# Altium PCB PCB5.PcbDoc (part 5 of 16)
Units mil, origin at the board's own origin, x right, y up, seen from the top; angles counter-clockwise.
Board outline 9210.27 x 4350.4 mil, 4 copper layers (Top Layer, Layer 1, Layer 2, Bottom Layer), stack 23.756 mil thick; 1550 components, 1731 nets, 5196 pads, 1890 vias.
Unrouted connection lines stored in the file: 2462.
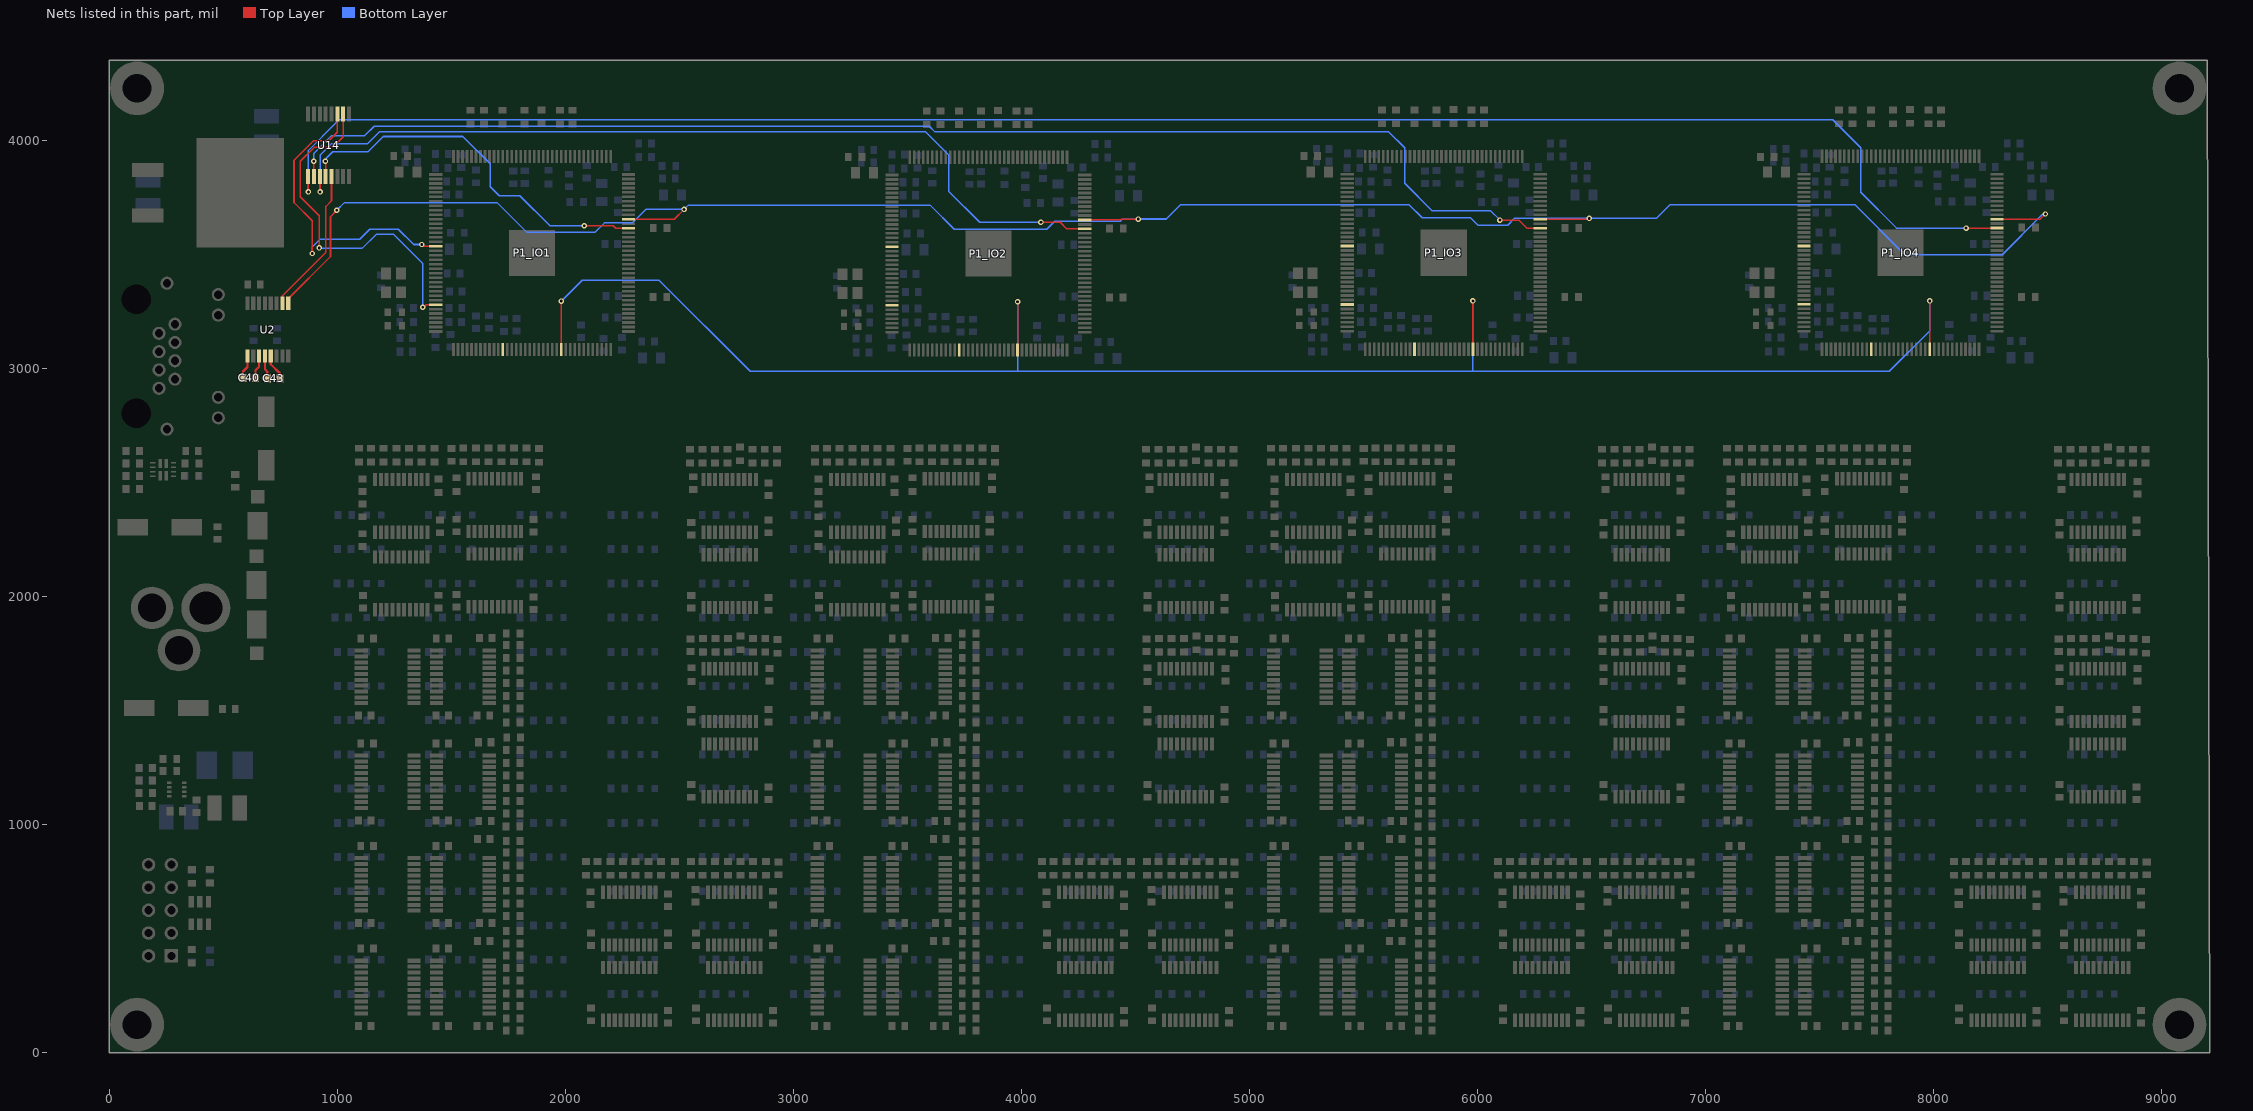
[diagram p7: the nets of this part, all layers, seen from the top]

## Part data (continued)
D7_U_LED_BUFFER11 D7_U_LED_BUFFER12 D7_U_LED_BUFFER13 D7_U_LED_BUFFER14 D7_U_LED_BUFFER21 D7_U_LED_BUFFER22 D7_U_LED_BUFFER23 D7_U_LED_BUFFER24 D7_U_LED_BUFFER31 D7_U_LED_BUFFER32 D7_U_LED_BUFFER33 D7_U_LED_BUFFER34 D7_U_LED_BUFFER41 D7_U_LED_BUFFER42 D7_U_LED_BUFFER43 D7_U_LED_BUFFER44 D7_U_LED_BUFFER51 D7_U_LED_BUFFER52 D7_U_LED_BUFFER53 D7_U_LED_BUFFER54 D7_U_LED_BUFFER61 D7_U_LED_BUFFER62 D7_U_LED_BUFFER63 D7_U_LED_BUFFER64 D7_U_LED_BUFFER71 D7_U_LED_BUFFER72 D7_U_LED_BUFFER73 D7_U_LED_BUFFER74 D7_U_LED_BUFFER81 D7_U_LED_BUFFER82 D7_U_LED_BUFFER83 D7_U_LED_BUFFER84 D7_U_LED_BUFFER91 D7_U_LED_BUFFER92 D7_U_LED_BUFFER93 D7_U_LED_BUFFER94 D7_U_LED_BUFFER101 D7_U_LED_BUFFER102 D7_U_LED_BUFFER103 D7_U_LED_BUFFER104 D8_U_LED_BUFFER11 D8_U_LED_BUFFER12 D8_U_LED_BUFFER13 D8_U_LED_BUFFER14 D8_U_LED_BUFFER21 D8_U_LED_BUFFER22 D8_U_LED_BUFFER23 D8_U_LED_BUFFER24 D8_U_LED_BUFFER31 D8_U_LED_BUFFER32 D8_U_LED_BUFFER33 D8_U_LED_BUFFER34 D8_U_LED_BUFFER41 D8_U_LED_BUFFER42 D8_U_LED_BUFFER43 D8_U_LED_BUFFER44 D8_U_LED_BUFFER51 D8_U_LED_BUFFER52 D8_U_LED_BUFFER53 D8_U_LED_BUFFER54 D8_U_LED_BUFFER61 D8_U_LED_BUFFER62 D8_U_LED_BUFFER63 D8_U_LED_BUFFER64 D8_U_LED_BUFFER71 D8_U_LED_BUFFER72 D8_U_LED_BUFFER73 D8_U_LED_BUFFER74 D8_U_LED_BUFFER81 D8_U_LED_BUFFER82 D8_U_LED_BUFFER83 D8_U_LED_BUFFER84 D8_U_LED_BUFFER91 D8_U_LED_BUFFER92 D8_U_LED_BUFFER93 D8_U_LED_BUFFER94 D8_U_LED_BUFFER101 D8_U_LED_BUFFER102 D8_U_LED_BUFFER103 D8_U_LED_BUFFER104 D9_U_LED_BUFFER11 D9_U_LED_BUFFER12 D9_U_LED_BUFFER13 D9_U_LED_BUFFER14 D9_U_LED_BUFFER21 D9_U_LED_BUFFER22 D9_U_LED_BUFFER23 D9_U_LED_BUFFER24 D9_U_LED_BUFFER31 D9_U_LED_BUFFER32 D9_U_LED_BUFFER33 D9_U_LED_BUFFER34 D9_U_LED_BUFFER41 D9_U_LED_BUFFER42 D9_U_LED_BUFFER43 D9_U_LED_BUFFER44 D9_U_LED_BUFFER51 D9_U_LED_BUFFER52 D9_U_LED_BUFFER53 D9_U_LED_BUFFER54 D9_U_LED_BUFFER61 D9_U_LED_BUFFER62 D9_U_LED_BUFFER63 D9_U_LED_BUFFER64 D9_U_LED_BUFFER71 D9_U_LED_BUFFER72 D9_U_LED_BUFFER73 D9_U_LED_BUFFER74 D9_U_LED_BUFFER81 D9_U_LED_BUFFER82 D9_U_LED_BUFFER83 D9_U_LED_BUFFER84 D9_U_LED_BUFFER91 D9_U_LED_BUFFER92 D9_U_LED_BUFFER93 D9_U_LED_BUFFER94 D9_U_LED_BUFFER101 D9_U_LED_BUFFER102 D9_U_LED_BUFFER103 D9_U_LED_BUFFER104 D10_U_LED_BUFFER11 D10_U_LED_BUFFER12 D10_U_LED_BUFFER13 D10_U_LED_BUFFER14 D10_U_LED_BUFFER21 D10_U_LED_BUFFER22 D10_U_LED_BUFFER23 D10_U_LED_BUFFER24 D10_U_LED_BUFFER31 D10_U_LED_BUFFER32 D10_U_LED_BUFFER33 D10_U_LED_BUFFER34 D10_U_LED_BUFFER41 D10_U_LED_BUFFER42 D10_U_LED_BUFFER43 D10_U_LED_BUFFER44 D10_U_LED_BUFFER51 D10_U_LED_BUFFER52 D10_U_LED_BUFFER53 D10_U_LED_BUFFER54 D10_U_LED_BUFFER61 D10_U_LED_BUFFER62 D10_U_LED_BUFFER63 D10_U_LED_BUFFER64 D10_U_LED_BUFFER71 D10_U_LED_BUFFER72 D10_U_LED_BUFFER73 D10_U_LED_BUFFER74 D10_U_LED_BUFFER81 D10_U_LED_BUFFER82 D10_U_LED_BUFFER83 D10_U_LED_BUFFER84 D10_U_LED_BUFFER91 D10_U_LED_BUFFER92 D10_U_LED_BUFFER93 D10_U_LED_BUFFER94 D11_U_LED_BUFFER11 D11_U_LED_BUFFER12 D11_U_LED_BUFFER13 D11_U_LED_BUFFER14 D11_U_LED_BUFFER21 D11_U_LED_BUFFER22 D11_U_LED_BUFFER23 D11_U_LED_BUFFER24 D11_U_LED_BUFFER31 D11_U_LED_BUFFER32 D11_U_LED_BUFFER33 D11_U_LED_BUFFER34 D11_U_LED_BUFFER41 D11_U_LED_BUFFER42 D11_U_LED_BUFFER43 D11_U_LED_BUFFER44 D11_U_LED_BUFFER51 D11_U_LED_BUFFER52 D11_U_LED_BUFFER53 D11_U_LED_BUFFER54 D11_U_LED_BUFFER61 D11_U_LED_BUFFER62 D11_U_LED_BUFFER63 D11_U_LED_BUFFER64 D11_U_LED_BUFFER71 D11_U_LED_BUFFER72 D11_U_LED_BUFFER73 D11_U_LED_BUFFER74 D11_U_LED_BUFFER81 D11_U_LED_BUFFER82 D11_U_LED_BUFFER83 D11_U_LED_BUFFER84 D11_U_LED_BUFFER91 D11_U_LED_BUFFER92 D11_U_LED_BUFFER93 D11_U_LED_BUFFER94 D12_U_LED_BUFFER11 D12_U_LED_BUFFER12 D12_U_LED_BUFFER13 D12_U_LED_BUFFER14 D12_U_LED_BUFFER21 D12_U_LED_BUFFER22 D12_U_LED_BUFFER23 D12_U_LED_BUFFER24 D12_U_LED_BUFFER31 D12_U_LED_BUFFER32 D12_U_LED_BUFFER33 D12_U_LED_BUFFER34 D12_U_LED_BUFFER41 D12_U_LED_BUFFER42 D12_U_LED_BUFFER43 D12_U_LED_BUFFER44 D12_U_LED_BUFFER51 D12_U_LED_BUFFER52 D12_U_LED_BUFFER53 D12_U_LED_BUFFER54 D12_U_LED_BUFFER61 D12_U_LED_BUFFER62 D12_U_LED_BUFFER63 D12_U_LED_BUFFER64 D12_U_LED_BUFFER71 D12_U_LED_BUFFER72 D12_U_LED_BUFFER73 D12_U_LED_BUFFER74 D12_U_LED_BUFFER81 D12_U_LED_BUFFER82 D12_U_LED_BUFFER83 D12_U_LED_BUFFER84 D12_U_LED_BUFFER91 D12_U_LED_BUFFER92 D12_U_LED_BUFFER93 D12_U_LED_BUFFER94 D13_U_LED_BUFFER11 D13_U_LED_BUFFER12 D13_U_LED_BUFFER13 D13_U_LED_BUFFER14 D13_U_LED_BUFFER21 D13_U_LED_BUFFER22 D13_U_LED_BUFFER23 D13_U_LED_BUFFER24 D13_U_LED_BUFFER31 D13_U_LED_BUFFER32 D13_U_LED_BUFFER33 D13_U_LED_BUFFER34 D13_U_LED_BUFFER41 D13_U_LED_BUFFER42 D13_U_LED_BUFFER43 D13_U_LED_BUFFER44 D13_U_LED_BUFFER51 D13_U_LED_BUFFER52 D13_U_LED_BUFFER53 D13_U_LED_BUFFER54 D13_U_LED_BUFFER61 D13_U_LED_BUFFER62 D13_U_LED_BUFFER63 D13_U_LED_BUFFER64 D13_U_LED_BUFFER71 D13_U_LED_BUFFER72 D13_U_LED_BUFFER73 D13_U_LED_BUFFER74 D13_U_LED_BUFFER81 D13_U_LED_BUFFER82 D13_U_LED_BUFFER83 D13_U_LED_BUFFER84 D13_U_LED_BUFFER91 D13_U_LED_BUFFER92 D13_U_LED_BUFFER93 D13_U_LED_BUFFER94 D14_U_LED_BUFFER11 D14_U_LED_BUFFER12 D14_U_LED_BUFFER13 D14_U_LED_BUFFER14 D14_U_LED_BUFFER21 D14_U_LED_BUFFER22 D14_U_LED_BUFFER23 D14_U_LED_BUFFER24 D14_U_LED_BUFFER31 D14_U_LED_BUFFER32 D14_U_LED_BUFFER33 D14_U_LED_BUFFER34 D14_U_LED_BUFFER41 D14_U_LED_BUFFER42 D14_U_LED_BUFFER43 D14_U_LED_BUFFER44 D14_U_LED_BUFFER51 D14_U_LED_BUFFER52 D14_U_LED_BUFFER53 D14_U_LED_BUFFER54 D14_U_LED_BUFFER61 D14_U_LED_BUFFER62 D14_U_LED_BUFFER63 D14_U_LED_BUFFER64 D14_U_LED_BUFFER71 D14_U_LED_BUFFER72 D14_U_LED_BUFFER73 D14_U_LED_BUFFER74 D14_U_LED_BUFFER81 D14_U_LED_BUFFER82 D14_U_LED_BUFFER83 D14_U_LED_BUFFER84 D14_U_LED_BUFFER91 D14_U_LED_BUFFER92 D14_U_LED_BUFFER93 D14_U_LED_BUFFER94: library part LED, "Standard LEDs - SMD Grn 527nm; 140mcd 0603; 70mW", Mfr="ROHM Semiconductor", Mfr Part No=SMLD12EN1WT86, Package=0603, PRICE=0.695, Stockiest=MOUSER, Stockiest Part No=755-SMLD12EN1WT86
J1: "Modular Connectors / Ethernet Connectors R/A RJ45 SHEILDED 8 CONT Y/G LEDS", Mfr="Amphenol Commercial Products", Mfr Part No=RJHSE-5381, PRICE=1.77, Stockiest=MOUSER, Stockiest Part No=523-RJHSE-5381
J2: "Connector"
L1_POWER1 L1_POWER2 L1_POWER3 L1_POWER4 L3_POWER1 L3_POWER2 L3_POWER3 L3_POWER4: library part 0805_IND, "Ferrite Beads 100ohms 1A 60mOhms 0603 Ferrite Chip", Mfr=TDK, Mfr Part No=MPZ1608D101BTA00, Package=0603, PRICE=0.10, Stockiest=MOUSER, Stockiest Part No=810-MPZ1608D101BTA00
L4: library part INDUCTOR, "Fixed Inductors 2.2uH 20% High Temp AEC-Q200", Mfr="Vishay / Dale", Mfr Part No=IHLP1616BZER2R2M5A, PRICE=1.36, Stockiest=MOUSER, Stockiest Part No=70-IHLP1616BZR2R2M5A
P1_IO1 P1_IO2 P1_IO3 P1_IO4: "FPGA - Field Programmable Gate Array non-volatile FPGA, 101 I/O, 144EQFP", Mfr="Intel / Altera", Mfr Part No=10M04SCE144C8G, Package=EQFP144, PRICE=11.52, Stockiest=MOUSER, Stockiest Part No=989-10M04SCE144C8G
P3: library part "Header 5X2", "Header, 5-Pin, Dual row", Stockiest=MOUSER
R1_IO1 R1_IO2 R1_IO3 R1_IO4 R2_IO1 R2_IO2 R2_IO3 R2_IO4 R3_IO1 R3_IO2 R3_IO3 R3_IO4 R4_IO1 R4_IO2 R4_IO3 R4_IO4 R5_IO1 R5_IO2 R5_IO3 R5_IO4 R6_IO1 R6_IO2 R6_IO3 R6_IO4 R7_IO1 R7_IO2 R7_IO3 R7_IO4 R10 R11 R23 R24 R25 R28 R30 R31 R32 R33 R34 R37 R44: library part Res1, "Thick Film Resistors - SMD 0603 10Kohms 1% Anti-Sulfur AEC-Q200", Mfr="ROHM Semiconductor", Mfr Part No=SFR03EZPF1002, Package=0603, PRICE=0.101, Stockiest=MOUSER, Stockiest Part No=755-SFR03EZPF1002
R8_IO1 R8_IO2 R8_IO3 R8_IO4 R21_IO1 R21_IO2 R21_IO3 R21_IO4: library part Res1, "Thick Film Resistors - SMD 1/10Watt 220ohms 5% Commercial Use", Mfr="Vishay / Dale", Mfr Part No=CRCW0603220RJNEAC, Package=0603, PRICE=0.101, Stockiest=MOUSER, Stockiest Part No=71-CRCW0603220RJNEAC
R9_U_LED_BUFFER11 R9_U_LED_BUFFER12 R9_U_LED_BUFFER13 R9_U_LED_BUFFER14 R9_U_LED_BUFFER21 R9_U_LED_BUFFER22 R9_U_LED_BUFFER23 R9_U_LED_BUFFER24 R9_U_LED_BUFFER31 R9_U_LED_BUFFER32 R9_U_LED_BUFFER33 R9_U_LED_BUFFER34 R9_U_LED_BUFFER41 R9_U_LED_BUFFER42 R9_U_LED_BUFFER43 R9_U_LED_BUFFER44 R9_U_LED_BUFFER51 R9_U_LED_BUFFER52 R9_U_LED_BUFFER53 R9_U_LED_BUFFER54 R9_U_LED_BUFFER61 R9_U_LED_BUFFER62 R9_U_LED_BUFFER63 R9_U_LED_BUFFER64 R9_U_LED_BUFFER71 R9_U_LED_BUFFER72 R9_U_LED_BUFFER73 R9_U_LED_BUFFER74 R9_U_LED_BUFFER81 R9_U_LED_BUFFER82 R9_U_LED_BUFFER83 R9_U_LED_BUFFER84 R9_U_LED_BUFFER91 R9_U_LED_BUFFER92 R9_U_LED_BUFFER93 R9_U_LED_BUFFER94 R9_U_LED_BUFFER101 R9_U_LED_BUFFER102 R9_U_LED_BUFFER103 R9_U_LED_BUFFER104 R17_U_LED_BUFFER11 R17_U_LED_BUFFER12 R17_U_LED_BUFFER13 R17_U_LED_BUFFER14 R17_U_LED_BUFFER21 R17_U_LED_BUFFER22 R17_U_LED_BUFFER23 R17_U_LED_BUFFER24 R17_U_LED_BUFFER31 R17_U_LED_BUFFER32 R17_U_LED_BUFFER33 R17_U_LED_BUFFER34 R17_U_LED_BUFFER41 R17_U_LED_BUFFER42 R17_U_LED_BUFFER43 R17_U_LED_BUFFER44 R17_U_LED_BUFFER51 R17_U_LED_BUFFER52 R17_U_LED_BUFFER53 R17_U_LED_BUFFER54 R17_U_LED_BUFFER61 R17_U_LED_BUFFER62 R17_U_LED_BUFFER63 R17_U_LED_BUFFER64 R17_U_LED_BUFFER71 R17_U_LED_BUFFER72 R17_U_LED_BUFFER73 R17_U_LED_BUFFER74 R17_U_LED_BUFFER81 R17_U_LED_BUFFER82 R17_U_LED_BUFFER83 R17_U_LED_BUFFER84 R17_U_LED_BUFFER91 R17_U_LED_BUFFER92 R17_U_LED_BUFFER93 R17_U_LED_BUFFER94 R17_U_LED_BUFFER101 R17_U_LED_BUFFER102 R17_U_LED_BUFFER103 R17_U_LED_BUFFER104 R19_U_LED_BUFFER11 R19_U_LED_BUFFER12 R19_U_LED_BUFFER13 R19_U_LED_BUFFER14 R19_U_LED_BUFFER21 R19_U_LED_BUFFER22 R19_U_LED_BUFFER23 R19_U_LED_BUFFER24 R19_U_LED_BUFFER31 R19_U_LED_BUFFER32 R19_U_LED_BUFFER33 R19_U_LED_BUFFER34 R19_U_LED_BUFFER41 R19_U_LED_BUFFER42 R19_U_LED_BUFFER43 R19_U_LED_BUFFER44 R19_U_LED_BUFFER51 R19_U_LED_BUFFER52 R19_U_LED_BUFFER53 R19_U_LED_BUFFER54 R19_U_LED_BUFFER61 R19_U_LED_BUFFER62 R19_U_LED_BUFFER63 R19_U_LED_BUFFER64 R19_U_LED_BUFFER71 R19_U_LED_BUFFER72 R19_U_LED_BUFFER73 R19_U_LED_BUFFER74 R19_U_LED_BUFFER81 R19_U_LED_BUFFER82 R19_U_LED_BUFFER83 R19_U_LED_BUFFER84 R19_U_LED_BUFFER91 R19_U_LED_BUFFER92 R19_U_LED_BUFFER93 R19_U_LED_BUFFER94 R19_U_LED_BUFFER101 R19_U_LED_BUFFER102 R19_U_LED_BUFFER103 R19_U_LED_BUFFER104 R22_U_LED_BUFFER11 R22_U_LED_BUFFER12 R22_U_LED_BUFFER13 R22_U_LED_BUFFER14 R22_U_LED_BUFFER21 R22_U_LED_BUFFER22 R22_U_LED_BUFFER23 R22_U_LED_BUFFER24 R22_U_LED_BUFFER31 R22_U_LED_BUFFER32 R22_U_LED_BUFFER33 R22_U_LED_BUFFER34 R22_U_LED_BUFFER41 R22_U_LED_BUFFER42 R22_U_LED_BUFFER43 R22_U_LED_BUFFER44 R22_U_LED_BUFFER51 R22_U_LED_BUFFER52 R22_U_LED_BUFFER53 R22_U_LED_BUFFER54 R22_U_LED_BUFFER61 R22_U_LED_BUFFER62 R22_U_LED_BUFFER63 R22_U_LED_BUFFER64 R22_U_LED_BUFFER71 R22_U_LED_BUFFER72 R22_U_LED_BUFFER73 R22_U_LED_BUFFER74 R22_U_LED_BUFFER81 R22_U_LED_BUFFER82 R22_U_LED_BUFFER83 R22_U_LED_BUFFER84 R22_U_LED_BUFFER91 R22_U_LED_BUFFER92 R22_U_LED_BUFFER93 R22_U_LED_BUFFER94 R26_U_LED_BUFFER11 R26_U_LED_BUFFER12 R26_U_LED_BUFFER13 R26_U_LED_BUFFER14 R26_U_LED_BUFFER21 R26_U_LED_BUFFER22 R26_U_LED_BUFFER23 R26_U_LED_BUFFER24 R26_U_LED_BUFFER31 R26_U_LED_BUFFER32 R26_U_LED_BUFFER33 R26_U_LED_BUFFER34 R26_U_LED_BUFFER41 R26_U_LED_BUFFER42 R26_U_LED_BUFFER43 R26_U_LED_BUFFER44 R26_U_LED_BUFFER51 R26_U_LED_BUFFER52 R26_U_LED_BUFFER53 R26_U_LED_BUFFER54 R26_U_LED_BUFFER61 R26_U_LED_BUFFER62 R26_U_LED_BUFFER63 R26_U_LED_BUFFER64 R26_U_LED_BUFFER71 R26_U_LED_BUFFER72 R26_U_LED_BUFFER73 R26_U_LED_BUFFER74 R26_U_LED_BUFFER81 R26_U_LED_BUFFER82 R26_U_LED_BUFFER83 R26_U_LED_BUFFER84 R26_U_LED_BUFFER91 R26_U_LED_BUFFER92 R26_U_LED_BUFFER93 R26_U_LED_BUFFER94 R27_U_LED_BUFFER11 R27_U_LED_BUFFER12 R27_U_LED_BUFFER13 R27_U_LED_BUFFER14 R27_U_LED_BUFFER21 R27_U_LED_BUFFER22 R27_U_LED_BUFFER23 R27_U_LED_BUFFER24 R27_U_LED_BUFFER31 R27_U_LED_BUFFER32 R27_U_LED_BUFFER33 R27_U_LED_BUFFER34 R27_U_LED_BUFFER41 R27_U_LED_BUFFER42 R27_U_LED_BUFFER43 R27_U_LED_BUFFER44 R27_U_LED_BUFFER51 R27_U_LED_BUFFER52 R27_U_LED_BUFFER53 R27_U_LED_BUFFER54 R27_U_LED_BUFFER61 R27_U_LED_BUFFER62 R27_U_LED_BUFFER63 R27_U_LED_BUFFER64 R27_U_LED_BUFFER71 R27_U_LED_BUFFER72 R27_U_LED_BUFFER73 R27_U_LED_BUFFER74 R27_U_LED_BUFFER81 R27_U_LED_BUFFER82 R27_U_LED_BUFFER83 R27_U_LED_BUFFER84 R27_U_LED_BUFFER91 R27_U_LED_BUFFER92 R27_U_LED_BUFFER93 R27_U_LED_BUFFER94 R45_U_LED_BUFFER11 R45_U_LED_BUFFER12 R45_U_LED_BUFFER13 R45_U_LED_BUFFER14 R45_U_LED_BUFFER21 R45_U_LED_BUFFER22 R45_U_LED_BUFFER23 R45_U_LED_BUFFER24 R45_U_LED_BUFFER31 R45_U_LED_BUFFER32 R45_U_LED_BUFFER33 R45_U_LED_BUFFER34 R45_U_LED_BUFFER41 R45_U_LED_BUFFER42 R45_U_LED_BUFFER43 R45_U_LED_BUFFER44 R45_U_LED_BUFFER51 R45_U_LED_BUFFER52 R45_U_LED_BUFFER53 R45_U_LED_BUFFER54 R45_U_LED_BUFFER61 R45_U_LED_BUFFER62 R45_U_LED_BUFFER63 R45_U_LED_BUFFER64 R45_U_LED_BUFFER71 R45_U_LED_BUFFER72 R45_U_LED_BUFFER73 R45_U_LED_BUFFER74 R45_U_LED_BUFFER81 R45_U_LED_BUFFER82 R45_U_LED_BUFFER83 R45_U_LED_BUFFER84 R45_U_LED_BUFFER91 R45_U_LED_BUFFER92 R45_U_LED_BUFFER93 R45_U_LED_BUFFER94 R46_U_LED_BUFFER11 R46_U_LED_BUFFER12 R46_U_LED_BUFFER13 R46_U_LED_BUFFER14 R46_U_LED_BUFFER21 R46_U_LED_BUFFER22 R46_U_LED_BUFFER23 R46_U_LED_BUFFER24 R46_U_LED_BUFFER31 R46_U_LED_BUFFER32 R46_U_LED_BUFFER33 R46_U_LED_BUFFER34 R46_U_LED_BUFFER41 R46_U_LED_BUFFER42 R46_U_LED_BUFFER43 R46_U_LED_BUFFER44 R46_U_LED_BUFFER51 R46_U_LED_BUFFER52 R46_U_LED_BUFFER53 R46_U_LED_BUFFER54 R46_U_LED_BUFFER61 R46_U_LED_BUFFER62 R46_U_LED_BUFFER63 R46_U_LED_BUFFER64 R46_U_LED_BUFFER71 R46_U_LED_BUFFER72 R46_U_LED_BUFFER73 R46_U_LED_BUFFER74 R46_U_LED_BUFFER81 R46_U_LED_BUFFER82 R46_U_LED_BUFFER83 R46_U_LED_BUFFER84 R46_U_LED_BUFFER91 R46_U_LED_BUFFER92 R46_U_LED_BUFFER93 R46_U_LED_BUFFER94: library part Res1, "Thick Film Resistors - SMD 1/10Watt 330ohms 1% Commercial Use", Mfr="Vishay / Dale", Mfr Part No=CRCW0603330RFKEAC, Package=0603, PRICE=0.101, Stockiest=MOUSER, Stockiest Part No=71-CRCW0603330RFKEAC
R12 R13_IO1 R13_IO2 R13_IO3 R13_IO4 R38 R43: library part Res1, "Resistor", Mfr="Vishay / Dale", Mfr Part No=CRCW06031K00FKEAC, Package=0603, PRICE=0.1, Stockiest=MOUSER, Stockiest Part No=71-CRCW06031K00FKEAC
R14_IO1 R14_IO2 R14_IO3 R14_IO4 R20_IO1 R20_IO2 R20_IO3 R20_IO4: library part Res1, "Thick Film Resistors - SMD 1/10Watt 4.7Kohms 5% Commercial Use", Mfr="Vishay / Dale", Mfr Part No=CRCW06034K70JNEAC, Package=0603, PRICE=0.101, Stockiest=MOUSER, Stockiest Part No=71-CRCW06034K70JNEAC
R15: library part Res1, "Thick Film Resistors - SMD 0603 1% 604Kohm Anti-Sulfur AEC-Q200", Mfr=Panasonic, Mfr Part No=ERJ-U03F6043V, Package=0603, PRICE=0.221, Stockiest=MOUSER, Stockiest Part No=667-ERJ-U03F6043V
R16: library part Res1, "Thick Film Resistors - SMD 0603 0.25W 1% 20ohm AEC-Q200", Mfr=Panasonic, Mfr Part No=ERJ-UP3F20R0V, Package=0603, PRICE=0.262, Stockiest=MOUSER, Stockiest Part No=667-ERJ-UP3F20R0V
R18 R36 R42: library part Res1, "Thick Film Resistors - SMD 0603 Anti-Surge Res. 0.1%, 40.2Koh", Mfr=Panasonic, Mfr Part No=ERJ-PB3B4022V, Package=0603, PRICE=0.252, Stockiest=MOUSER, Stockiest Part No=667-ERJ-PB3B4022V
R29: library part Res1, "Thick Film Resistors - SMD 0603 Anti-Surge Res. 0.1%, 7.68Koh", Mfr=Panasonic, Mfr Part No=ERJ-PB3B7681V, Package=0603, PRICE=0.252, Stockiest=MOUSER, Stockiest Part No=667-ERJ-PB3B7681V
R35 R39 R41: library part Res1, "Thin Film Resistors - SMD 13K ohm 0.1% 25 ppm", Mfr="KOA Speer", Mfr Part No=RN73R1JTTD1302B25, Package=0603, PRICE=0.503, Stockiest=MOUSER, Stockiest Part No=660-RN73R1JTD1302B25
R40: library part Res1, "Thick Film Resistors - SMD 20K OHM .1% 25PPM", Mfr="KOA Speer", Mfr Part No=RS73F1JTTD2002B, Package=0603, PRICE=0.61, Stockiest=MOUSER, Stockiest Part No=660-RS73F1JTTD2002B
R47_U_LED_BUFFER11 R47_U_LED_BUFFER12 R47_U_LED_BUFFER13 R47_U_LED_BUFFER14 R47_U_LED_BUFFER21 R47_U_LED_BUFFER22 R47_U_LED_BUFFER23 R47_U_LED_BUFFER24 R47_U_LED_BUFFER31 R47_U_LED_BUFFER32 R47_U_LED_BUFFER33 R47_U_LED_BUFFER34 R47_U_LED_BUFFER41 R47_U_LED_BUFFER42 R47_U_LED_BUFFER43 R47_U_LED_BUFFER44 R47_U_LED_BUFFER51 R47_U_LED_BUFFER52 R47_U_LED_BUFFER53 R47_U_LED_BUFFER54 R47_U_LED_BUFFER61 R47_U_LED_BUFFER62 R47_U_LED_BUFFER63 R47_U_LED_BUFFER64 R47_U_LED_BUFFER71 R47_U_LED_BUFFER72 R47_U_LED_BUFFER73 R47_U_LED_BUFFER74 R47_U_LED_BUFFER81 R47_U_LED_BUFFER82 R47_U_LED_BUFFER83 R47_U_LED_BUFFER84 R47_U_LED_BUFFER91 R47_U_LED_BUFFER92 R47_U_LED_BUFFER93 R47_U_LED_BUFFER94 R47_U_LED_BUFFER101 R47_U_LED_BUFFER102 R47_U_LED_BUFFER103 R47_U_LED_BUFFER104 R48_U_LED_BUFFER11 R48_U_LED_BUFFER12 R48_U_LED_BUFFER13 R48_U_LED_BUFFER14 R48_U_LED_BUFFER21 R48_U_LED_BUFFER22 R48_U_LED_BUFFER23 R48_U_LED_BUFFER24 R48_U_LED_BUFFER31 R48_U_LED_BUFFER32 R48_U_LED_BUFFER33 R48_U_LED_BUFFER34 R48_U_LED_BUFFER41 R48_U_LED_BUFFER42 R48_U_LED_BUFFER43 R48_U_LED_BUFFER44 R48_U_LED_BUFFER51 R48_U_LED_BUFFER52 R48_U_LED_BUFFER53 R48_U_LED_BUFFER54 R48_U_LED_BUFFER61 R48_U_LED_BUFFER62 R48_U_LED_BUFFER63 R48_U_LED_BUFFER64 R48_U_LED_BUFFER71 R48_U_LED_BUFFER72 R48_U_LED_BUFFER73 R48_U_LED_BUFFER74 R48_U_LED_BUFFER81 R48_U_LED_BUFFER82 R48_U_LED_BUFFER83 R48_U_LED_BUFFER84 R48_U_LED_BUFFER91 R48_U_LED_BUFFER92 R48_U_LED_BUFFER93 R48_U_LED_BUFFER94 R48_U_LED_BUFFER101 R48_U_LED_BUFFER102 R48_U_LED_BUFFER103 R48_U_LED_BUFFER104 R49_U_LED_BUFFER11 R49_U_LED_BUFFER12 R49_U_LED_BUFFER13 R49_U_LED_BUFFER14 R49_U_LED_BUFFER21 R49_U_LED_BUFFER22 R49_U_LED_BUFFER23 R49_U_LED_BUFFER24 R49_U_LED_BUFFER31 R49_U_LED_BUFFER32 R49_U_LED_BUFFER33 R49_U_LED_BUFFER34 R49_U_LED_BUFFER41 R49_U_LED_BUFFER42 R49_U_LED_BUFFER43 R49_U_LED_BUFFER44 R49_U_LED_BUFFER51 R49_U_LED_BUFFER52 R49_U_LED_BUFFER53 R49_U_LED_BUFFER54 R49_U_LED_BUFFER61 R49_U_LED_BUFFER62 R49_U_LED_BUFFER63 R49_U_LED_BUFFER64 R49_U_LED_BUFFER71 R49_U_LED_BUFFER72 R49_U_LED_BUFFER73 R49_U_LED_BUFFER74 R49_U_LED_BUFFER81 R49_U_LED_BUFFER82 R49_U_LED_BUFFER83 R49_U_LED_BUFFER84 R49_U_LED_BUFFER91 R49_U_LED_BUFFER92 R49_U_LED_BUFFER93 R49_U_LED_BUFFER94 R49_U_LED_BUFFER101 R49_U_LED_BUFFER102 R49_U_LED_BUFFER103 R49_U_LED_BUFFER104 R50_U_LED_BUFFER11 R50_U_LED_BUFFER12 R50_U_LED_BUFFER13 R50_U_LED_BUFFER14 R50_U_LED_BUFFER21 R50_U_LED_BUFFER22 R50_U_LED_BUFFER23 R50_U_LED_BUFFER24 R50_U_LED_BUFFER31 R50_U_LED_BUFFER32 R50_U_LED_BUFFER33 R50_U_LED_BUFFER34 R50_U_LED_BUFFER41 R50_U_LED_BUFFER42 R50_U_LED_BUFFER43 R50_U_LED_BUFFER44 R50_U_LED_BUFFER51 R50_U_LED_BUFFER52 R50_U_LED_BUFFER53 R50_U_LED_BUFFER54 R50_U_LED_BUFFER61 R50_U_LED_BUFFER62 R50_U_LED_BUFFER63 R50_U_LED_BUFFER64 R50_U_LED_BUFFER71 R50_U_LED_BUFFER72 R50_U_LED_BUFFER73 R50_U_LED_BUFFER74 R50_U_LED_BUFFER81 R50_U_LED_BUFFER82 R50_U_LED_BUFFER83 R50_U_LED_BUFFER84 R50_U_LED_BUFFER91 R50_U_LED_BUFFER92 R50_U_LED_BUFFER93 R50_U_LED_BUFFER94 R50_U_LED_BUFFER101 R50_U_LED_BUFFER102 R50_U_LED_BUFFER103 R50_U_LED_BUFFER104 R51_U_LED_BUFFER11 R51_U_LED_BUFFER12 R51_U_LED_BUFFER13 R51_U_LED_BUFFER14 R51_U_LED_BUFFER21 R51_U_LED_BUFFER22 R51_U_LED_BUFFER23 R51_U_LED_BUFFER24 R51_U_LED_BUFFER31 R51_U_LED_BUFFER32 R51_U_LED_BUFFER33 R51_U_LED_BUFFER34 R51_U_LED_BUFFER41 R51_U_LED_BUFFER42 R51_U_LED_BUFFER43 R51_U_LED_BUFFER44 R51_U_LED_BUFFER51 R51_U_LED_BUFFER52 R51_U_LED_BUFFER53 R51_U_LED_BUFFER54 R51_U_LED_BUFFER61 R51_U_LED_BUFFER62 R51_U_LED_BUFFER63 R51_U_LED_BUFFER64 R51_U_LED_BUFFER71 R51_U_LED_BUFFER72 R51_U_LED_BUFFER73 R51_U_LED_BUFFER74 R51_U_LED_BUFFER81 R51_U_LED_BUFFER82 R51_U_LED_BUFFER83 R51_U_LED_BUFFER84 R51_U_LED_BUFFER91 R51_U_LED_BUFFER92 R51_U_LED_BUFFER93 R51_U_LED_BUFFER94 R51_U_LED_BUFFER101 R51_U_LED_BUFFER102 R51_U_LED_BUFFER103 R51_U_LED_BUFFER104 R52_U_LED_BUFFER11 R52_U_LED_BUFFER12 R52_U_LED_BUFFER13 R52_U_LED_BUFFER14 R52_U_LED_BUFFER21 R52_U_LED_BUFFER22 R52_U_LED_BUFFER23 R52_U_LED_BUFFER24 R52_U_LED_BUFFER31 R52_U_LED_BUFFER32 R52_U_LED_BUFFER33 R52_U_LED_BUFFER34 R52_U_LED_BUFFER41 R52_U_LED_BUFFER42 R52_U_LED_BUFFER43 R52_U_LED_BUFFER44 R52_U_LED_BUFFER51 R52_U_LED_BUFFER52 R52_U_LED_BUFFER53 R52_U_LED_BUFFER54 R52_U_LED_BUFFER61 R52_U_LED_BUFFER62 R52_U_LED_BUFFER63 R52_U_LED_BUFFER64 R52_U_LED_BUFFER71 R52_U_LED_BUFFER72 R52_U_LED_BUFFER73 R52_U_LED_BUFFER74 R52_U_LED_BUFFER81 R52_U_LED_BUFFER82 R52_U_LED_BUFFER83 R52_U_LED_BUFFER84 R52_U_LED_BUFFER91 R52_U_LED_BUFFER92 R52_U_LED_BUFFER93 R52_U_LED_BUFFER94 R52_U_LED_BUFFER101 R52_U_LED_BUFFER102 R52_U_LED_BUFFER103 R52_U_LED_BUFFER104 R53_U_LED_BUFFER11 R53_U_LED_BUFFER12 R53_U_LED_BUFFER13 R53_U_LED_BUFFER14 R53_U_LED_BUFFER21 R53_U_LED_BUFFER22 R53_U_LED_BUFFER23 R53_U_LED_BUFFER24 R53_U_LED_BUFFER31 R53_U_LED_BUFFER32 R53_U_LED_BUFFER33 R53_U_LED_BUFFER34 R53_U_LED_BUFFER41 R53_U_LED_BUFFER42 R53_U_LED_BUFFER43 R53_U_LED_BUFFER44 R53_U_LED_BUFFER51 R53_U_LED_BUFFER52 R53_U_LED_BUFFER53 R53_U_LED_BUFFER54 R53_U_LED_BUFFER61 R53_U_LED_BUFFER62 R53_U_LED_BUFFER63 R53_U_LED_BUFFER64 R53_U_LED_BUFFER71 R53_U_LED_BUFFER72 R53_U_LED_BUFFER73 R53_U_LED_BUFFER74 R53_U_LED_BUFFER81 R53_U_LED_BUFFER82 R53_U_LED_BUFFER83 R53_U_LED_BUFFER84 R53_U_LED_BUFFER91 R53_U_LED_BUFFER92 R53_U_LED_BUFFER93 R53_U_LED_BUFFER94 R53_U_LED_BUFFER101 R53_U_LED_BUFFER102 R53_U_LED_BUFFER103 R53_U_LED_BUFFER104 R54_U_LED_BUFFER11 R54_U_LED_BUFFER12 R54_U_LED_BUFFER13 R54_U_LED_BUFFER14 R54_U_LED_BUFFER21 R54_U_LED_BUFFER22 R54_U_LED_BUFFER23 R54_U_LED_BUFFER24 R54_U_LED_BUFFER31 R54_U_LED_BUFFER32 R54_U_LED_BUFFER33 R54_U_LED_BUFFER34 R54_U_LED_BUFFER41 R54_U_LED_BUFFER42 R54_U_LED_BUFFER43 R54_U_LED_BUFFER44 R54_U_LED_BUFFER51 R54_U_LED_BUFFER52 R54_U_LED_BUFFER53 R54_U_LED_BUFFER54 R54_U_LED_BUFFER61 R54_U_LED_BUFFER62 R54_U_LED_BUFFER63 R54_U_LED_BUFFER64 R54_U_LED_BUFFER71 R54_U_LED_BUFFER72 R54_U_LED_BUFFER73 R54_U_LED_BUFFER74 R54_U_LED_BUFFER81 R54_U_LED_BUFFER82 R54_U_LED_BUFFER83 R54_U_LED_BUFFER84 R54_U_LED_BUFFER91 R54_U_LED_BUFFER92 R54_U_LED_BUFFER93 R54_U_LED_BUFFER94 R54_U_LED_BUFFER101 R54_U_LED_BUFFER102 R54_U_LED_BUFFER103 R54_U_LED_BUFFER104: library part Res1, "Thick Film Resistors - SMD 1/10Watt 33ohms 1% Commercial Use", Mfr="Vishay / Dale", Mfr Part No=CRCW060333R0FKEAC, Package=0603, PRICE=0.101, Stockiest=MOUSER, Stockiest Part No=71-CRCW060333R0FKEAC
U1_IO1 U1_IO2 U1_IO3 U1_IO4: library part CRYSTAL, "Standard Clock Oscillators 25.0 MHZ 3.3V 50PPM SMD 32", Mfr=ABRACON, Mfr Part No=ASE-25.000MHZ-LC-T, PRICE=1.42, Stockiest=MOUSER, Stockiest Part No=815-ASE25.000MHZLCT
U2: "RS-232 Interface IC 3-5.5V Mult-Ch RS232", Mfr="Texas Instruments", Mfr Part No=MAX3232CPWR, PRICE=0.94, Stockiest=MOUSER, Stockiest Part No=595-MAX3232CPWR
U3: "Switching Voltage Regulators High-Efficiency, 3A, 18V, 1200kHz, Synchronous, Step-Down Converter", Mfr="Monolithic Power Systems (MPS)", Mfr Part No=MP2333HGTL-P, PRICE=1.89, Stockiest=MOUSER, Stockiest Part No=946-MP2333HGTL-P
U4_U_LED_BUFFER11 U4_U_LED_BUFFER12 U4_U_LED_BUFFER13 U4_U_LED_BUFFER14 U4_U_LED_BUFFER21 U4_U_LED_BUFFER22 U4_U_LED_BUFFER23 U4_U_LED_BUFFER24 U4_U_LED_BUFFER31 U4_U_LED_BUFFER32 U4_U_LED_BUFFER33 U4_U_LED_BUFFER34 U4_U_LED_BUFFER41 U4_U_LED_BUFFER42 U4_U_LED_BUFFER43 U4_U_LED_BUFFER44 U4_U_LED_BUFFER51 U4_U_LED_BUFFER52 U4_U_LED_BUFFER53 U4_U_LED_BUFFER54 U4_U_LED_BUFFER61 U4_U_LED_BUFFER62 U4_U_LED_BUFFER63 U4_U_LED_BUFFER64 U4_U_LED_BUFFER71 U4_U_LED_BUFFER72 U4_U_LED_BUFFER73 U4_U_LED_BUFFER74 U4_U_LED_BUFFER81 U4_U_LED_BUFFER82 U4_U_LED_BUFFER83 U4_U_LED_BUFFER84 U4_U_LED_BUFFER91 U4_U_LED_BUFFER92 U4_U_LED_BUFFER93 U4_U_LED_BUFFER94 U4_U_LED_BUFFER101 U4_U_LED_BUFFER102 U4_U_LED_BUFFER103 U4_U_LED_BUFFER104: library part TXS0108EPWR, "Translation - Voltage Levels Dual supply translating transceiver; open drain; auto direction sensing", Mfr="NXP Semiconductors", Mfr Part No=NTS0308EPWJ, PRICE=1.43, Stockiest=MOUSER, Stockiest Part No=771-NTS0308EPWJ
U5: "Power Switch ICs - Power Distribution", Mfr="Texas Instruments", Mfr Part No=TPS2121RUXT, PRICE=2.40, Stockiest=MOUSER, Stockiest Part No=595-TPS2121RUXT
U6: "Integrated Circuit", Mfr=STMicroelectronics, Mfr Part No=LD1085D2T33R, PRICE=1.30, Stockiest=MOUSER, Stockiest Part No=511-LD1085D2T33-TR
U7_U_LED_BUFFER11 U7_U_LED_BUFFER12 U7_U_LED_BUFFER13 U7_U_LED_BUFFER14 U7_U_LED_BUFFER21 U7_U_LED_BUFFER22 U7_U_LED_BUFFER23 U7_U_LED_BUFFER24 U7_U_LED_BUFFER31 U7_U_LED_BUFFER32 U7_U_LED_BUFFER33 U7_U_LED_BUFFER34 U7_U_LED_BUFFER41 U7_U_LED_BUFFER42 U7_U_LED_BUFFER43 U7_U_LED_BUFFER44 U7_U_LED_BUFFER51 U7_U_LED_BUFFER52 U7_U_LED_BUFFER53 U7_U_LED_BUFFER54 U7_U_LED_BUFFER61 U7_U_LED_BUFFER62 U7_U_LED_BUFFER63 U7_U_LED_BUFFER64 U7_U_LED_BUFFER71 U7_U_LED_BUFFER72 U7_U_LED_BUFFER73 U7_U_LED_BUFFER74 U7_U_LED_BUFFER81 U7_U_LED_BUFFER82 U7_U_LED_BUFFER83 U7_U_LED_BUFFER84 U7_U_LED_BUFFER91 U7_U_LED_BUFFER92 U7_U_LED_BUFFER93 U7_U_LED_BUFFER94 U7_U_LED_BUFFER101 U7_U_LED_BUFFER102 U7_U_LED_BUFFER103 U7_U_LED_BUFFER104: "Buffers & Line Drivers BUFFER LINE DRIVER", Mfr=Nexperia, Package=TSSOP-20, Mfr Part No=74LV540APWJ, PRICE=0.645, Stockiest=MOUSER, Stockiest Part No=771-74LV540APWJ
U8: "ESD Suppressors / TVS Diodes LOW CAP TVS ARRAY 5.5V", Mfr="ON SEMI", Mfr Part No=NUP4114HMR6T1G, PRICE=0.534, Stockiest=MOUSER, Stockiest Part No=863-NUP4114HMR6T1G
U14: "Encoders, Decoders, Multiplexers & Demultiplexers 8-INPUT MULTIPLEXER", Mfr=NEXPERIA, Mfr Part No=74HC151DB,118, PRICE=0.887, Stockiest=MOUSER, Stockiest Part No=771-HC151DB118

## Free pads (board coordinates)
  round 236.22 hole 125.98: ""(122.05,122.05) ""(122.05,4228.35) ""(9078.74,122.05) ""(9078.74,4228.35)

## Via types
v1: diameter 24, hole 12, Top Layer to Bottom Layer, tented both sides, 1882 vias
v2: diameter 24, hole 12, Top Layer to Bottom Layer, 8 vias

## Nets (pads, with @x,y where several pads share a name; then routed paths per layer and width w, separated by ;. In a path a pad name is that pad's centre, name@x,y a point inside that pad or via, vN(x,y) a via of type N, cw(c..) or ccw(c..) an arc to the next point about the centre after c; other vN are vias at no path point)
BANK_EN0: P1_IO1.17 U14.11 | length 1385.7
  Top Layer w7: v1(889.76,3503.94) 889.76,3647.66 810,3727.43 810,3912.97 895.34,3998.31 962.98,3998.31 1000,4035.33 1000,4106.88 1000.22,4107.1 U14.11@1000.22,4115.81 ; v1@1377.76,3535.64 P1_IO1.17@1431.34,3535.64
  Bottom Layer w7: v1(889.76,3503.94) 889.76,3532.5 924.2,3566.93 1098.43,3566.93 1141.73,3610.24 1267.72,3610.24 1334.65,3543.31 v1(1370.08,3543.31)
BANK_EN0_IO2: P1_IO2.17
BANK_EN0_IO3: P1_IO3.17
BANK_EN0_IO4: P1_IO4.17
BANK_EN1: P1_IO1.30 U14.10 | length 1530.9
  Top Layer w7: v1(921.26,3528.43) 921.26,3669.8 837.78,3753.28 837.78,3908.32 898.61,3969.14 979.14,3969.14 1025.81,4015.81 U14.10@1025.81,4115.81 ; v1(1374.48,3268.66) 1379.08,3268.66 1390.15,3279.73 P1_IO1.30@1431.34,3279.73
  Bottom Layer w7: v1@921.26,3527.56 1110.24,3527.56 1170.33,3587.65 1247,3587.65 1374.48,3460.17 v1(1374.48,3268.66)
BANK_EN1_IO2: P1_IO2.30
BANK_EN1_IO3: P1_IO3.30
BANK_EN1_IO4: P1_IO4.30
BANK_EN2_IO1: P1_IO1.48
BANK_EN2_IO2: P1_IO2.48
BANK_EN2_IO3: P1_IO3.48
BANK_EN2_IO4: P1_IO4.48
C1+: C40.2 U2.1 | length 104.2
  Top Layer w10: C40.2@586.08,2958.27 586.08,2986.41 605.77,3006.1 U2.1@605.77,3054.3
C1-: C40.1 U2.3 | length 102.6
  Top Layer w10: C40.1@641.2,2958.27 641.2,2991.52 656.96,3007.28 U2.3@656.96,3054.3
C2+: C43.2 U2.4 | length 102.2
  Top Layer w10: U2.4@682.55,3054.3 682.55,2996.26 693.14,2985.67 C43.2@693.14,2956.47
C2-: C43.1 U2.5 | length 114.5
  Top Layer w10: U2.5@708.14,3054.3 708.14,3018.27 748.26,2978.15 C43.1@748.26,2956.47
CMD_INT: P1_IO1.61 P1_IO2.61 P1_IO3.61 P1_IO4.61 | length 7884.4
  Top Layer w7: P1_IO1.61@1982.05,3083.35 v1(1982.05,3295.09) v1@1986.83,3299.87 ; P1_IO2.61@3983.15,3080.75 v1(3983.15,3292.49) ; P1_IO3.61@5980.05,3084.2 v1(5980.05,3295.94) v1@5984.83,3300.72 ; P1_IO4.61@7983.05,3084.35 v1(7983.05,3296.09)
  Bottom Layer w7: v1(1982.05,3295.09) 2074.13,3387.17 2410.63,3387.17 2810.63,2987.17 3983.15,2987.17 ; v1(3983.15,3292.49) 3983.15,2987.17 ; v1(5980.05,3295.94) 5980.05,2987.17 ; v1(7983.05,3296.09) 7983.05,3164.47 7805.74,2987.17 5980.05,2987.17 ; 3983.15,2987.17 5980.05,2987.17
CMD_RX: P1_IO1.98 P1_IO2.98 P1_IO3.98 P1_IO4.98 U2.9 | length 9368.3
  Top Layer w7: U2.9@784.91,3285.63 784.91,3305.81 970,3490.9 970,3665.51 v1(997.86,3693.37) v1@998.37,3693.88 ; P1_IO1.98@2276.85,3653.75 2477.21,3653.75 v1(2520.63,3697.17) ; P1_IO2.98@4277.95,3651.15 4434.61,3651.15 4438.43,3654.96 v1(4512.14,3654.96) ; P1_IO3.98@6274.85,3654.6 6487,3654.6 v1(6489.91,3657.51) ; P1_IO4.98@8277.85,3654.75 8468.21,3654.75 v1(8490.63,3677.17)
  Bottom Layer w7: v1(997.86,3693.37) 1031.66,3727.17 1700.63,3727.17 1829.97,3597.83 2131.29,3597.83 2171.41,3637.94 2293.97,3637.94 2353.19,3697.17 v1(2520.63,3697.17) 2538.23,3714.77 3600.96,3714.77 3704.96,3610.76 4111.53,3610.76 4145.8,3645.03 4433.62,3645.03 4443.56,3654.96 v1(4512.14,3654.96) ; v1@4512.14,3655.21 4634.62,3655.21 4697.63,3718.22 5699.78,3718.22 5757.32,3660.68 5969.2,3660.68 6001.85,3628.02 6132.15,3628.02 6162.78,3658.66 6489.91,3658.66 6785.24,3658.66 6844.95,3718.37 7654.35,3718.37 7873.75,3498.96 8300.98,3498.96 8476,3673.98 8487.44,3673.98 v1(8490.63,3677.17)
CMD_TX: U2.10 U14.5 | length 647.1
  Top Layer w7: U2.10@759.32,3285.63 759.32,3318.24 950,3508.92 950,3710 974.63,3734.63 U14.5@974.63,3841.16
  Top Layer w10: U2.10@758.48,3284.8 U2.10@759.32,3285.63 ; U14.5@973.79,3842 U14.5@974.63,3841.16
CMD_TX1: P1_IO1.96 U14.4 | length 1672.6
  Top Layer w7: v1(948.08,3908.54) 948.56,3908.05 948.56,3841.64 U14.4@949.04,3841.16 ; v1(2083.15,3625.37) 2210.63,3625.37 2221.62,3614.38 P1_IO1.96@2276.85,3614.38
  Bottom Layer w7: v1(948.08,3908.54) 951.33,3911.79 951.33,3921.33 980,3950 1134.37,3950 1201.53,4017.17 1550.63,4017.17 1670.63,3897.17 1670.63,3797.17 1710.63,3757.17 1800.63,3757.17 1932.43,3625.37 v1(2083.15,3625.37)
CMD_TX2: P1_IO2.96 U14.3 | length 3895.5
  Top Layer w7: U14.3@923.45,3841.16 923.93,3840.68 923.93,3774.27 v1(924.42,3773.78) ; v1(4085.44,3640.41) 4170.63,3640.41 4199.27,3611.78 P1_IO2.96@4277.95,3611.78
  Bottom Layer w7: v1(924.42,3773.78) 924.42,3934.96 974.88,3985.42 1132.31,3985.42 1184.97,4038.08 3579.71,4038.08 3680.63,3937.17 3680.63,3777.17 3817.38,3640.41 v1(4085.44,3640.41)
CMD_TX3: P1_IO3.96 U14.2 | length 5805.4
  Top Layer w7: v1(896.89,3908.54) 897.38,3908.05 897.38,3841.64 U14.2@897.86,3841.16 ; v1(6098.58,3650.52) 6180.63,3650.52 6215.93,3615.23 P1_IO3.96@6274.85,3615.23
  Bottom Layer w7: v1(896.89,3908.54) 896.89,3942.87 974.98,4020.95 1120.49,4020.95 1161.5,4061.96 3595.83,4061.96 3620.63,4037.17 5610.63,4037.17 5680.63,3967.17 5680.63,3811.96 5802.11,3690.47 6058.63,3690.47 v1(6098.58,3650.52)
CMD_TX4: P1_IO4.96 U14.1 | length 8020.7
  Top Layer w7: U14.1@872.27,3841.16 872.75,3840.68 872.75,3774.27 v1(873.24,3773.78) ; v1(8142.82,3615.38) P1_IO4.96@8277.85,3615.38
  Bottom Layer w7: v1(873.24,3773.78) 873.24,3955.59 990.28,4072.63 1007.49,4089.85 7557.95,4089.85 7680.63,3967.17 7680.63,3771.91 7837.16,3615.38 v1(8142.82,3615.38)